# Altium PCB ANTS-DCU_RevB1.PCBDOC (part 3 of 3)
Units mm, origin at the board's own origin, x right, y up, seen from the top; angles counter-clockwise.
Board outline 195.05 x 85.05 mm, 2 copper layers (TopLayer, BottomLayer); 186 components, 183 nets, 986 pads, 355 vias.
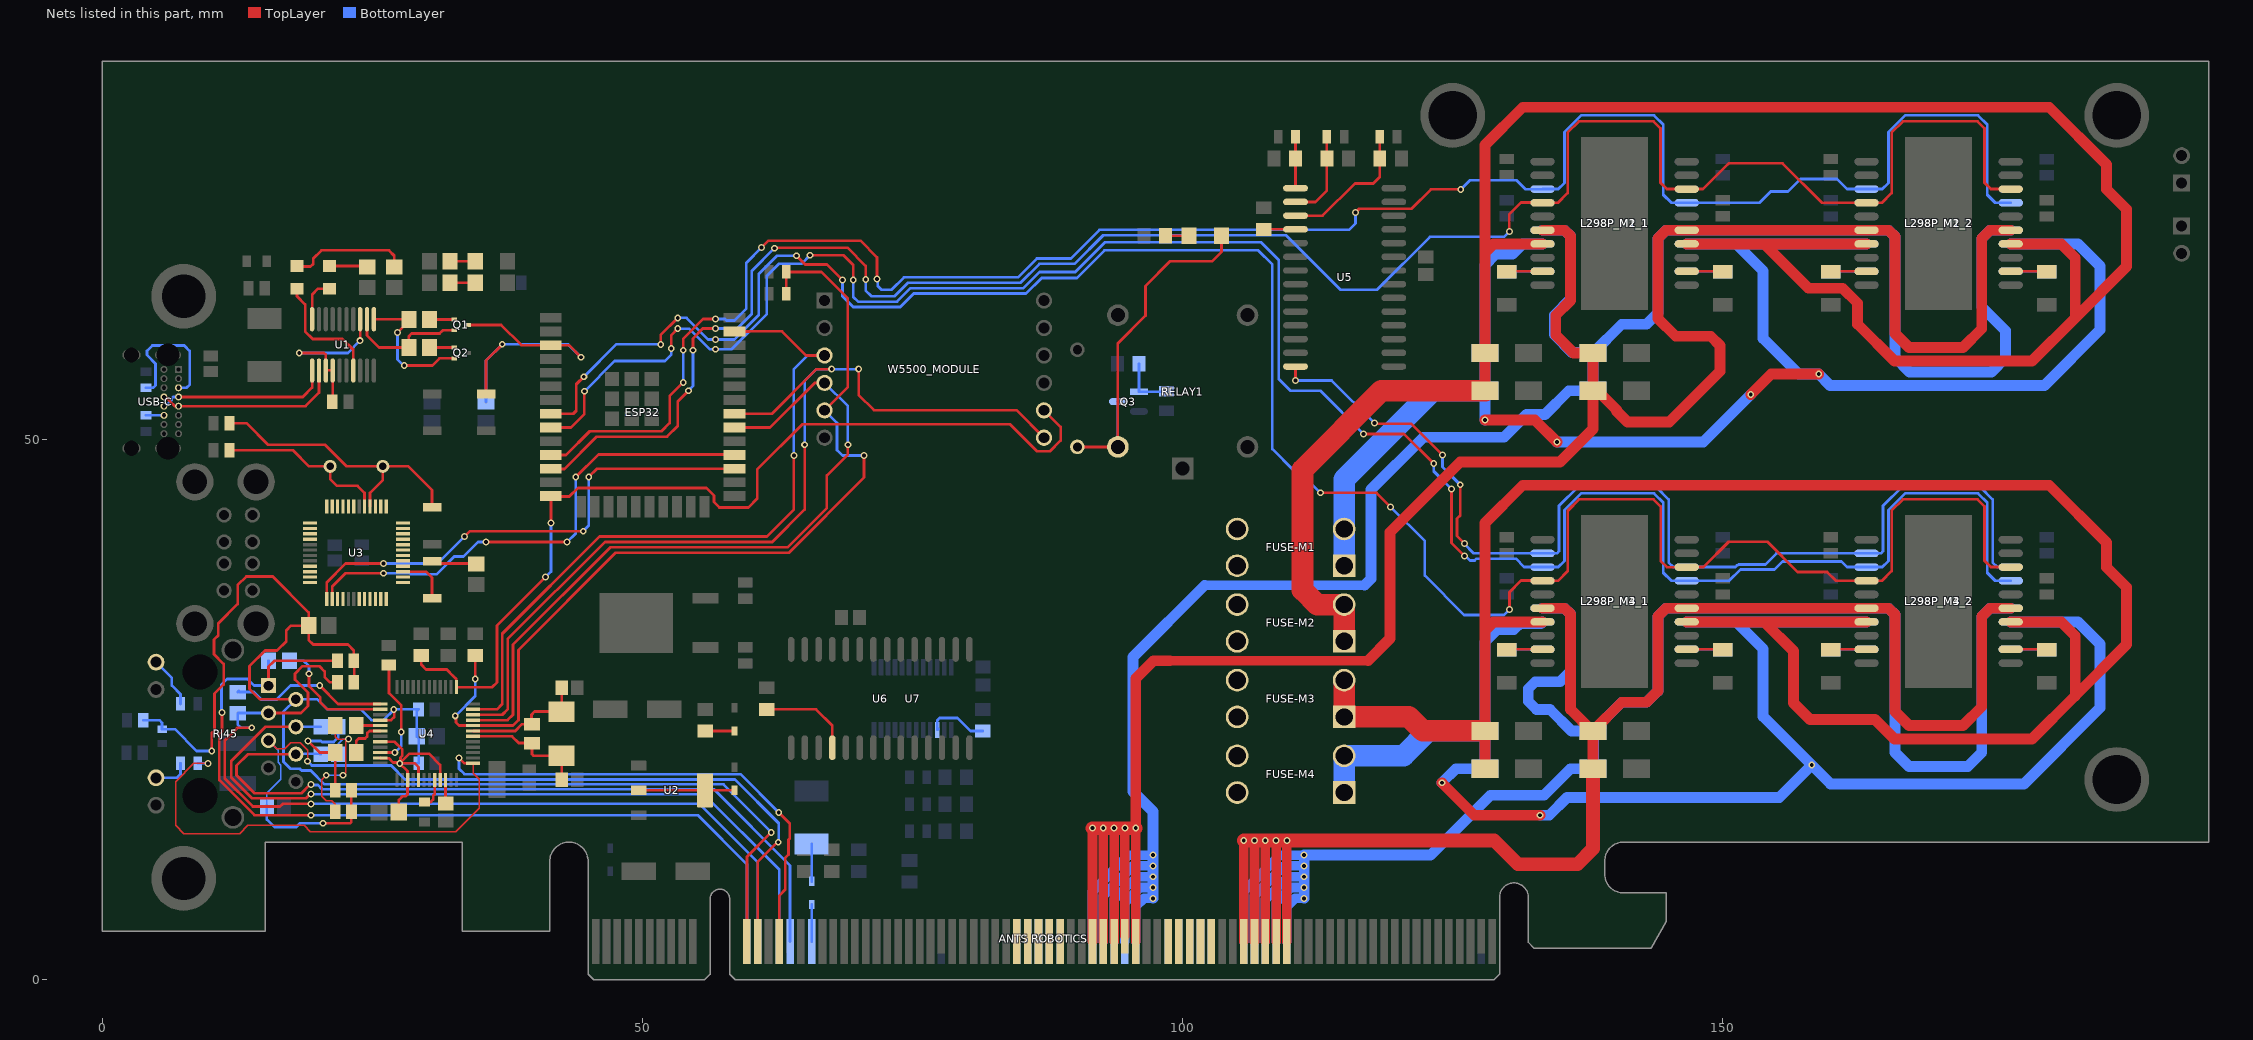
[diagram p3: the nets of this part, all layers, seen from the top]

## Via types
v1: diameter 0.635, hole 0.356, TopLayer to BottomLayer, 355 vias

## Nets (pads, with @x,y where several pads share a name; then routed paths per layer and width w, separated by ;. In a path a pad name is that pad's centre, name@x,y a point inside that pad or via, vN(x,y) a via of type N, cw(c..) or ccw(c..) an arc to the next point about the centre after c; other vN are vias at no path point) (continued)
L298P-M4-1-IN2: L298P_M4_1.9 L298P_M4_1.13 L298P_M4_2.9 L298P_M4_2.13 U5.28 | length 101.6
  TopLayer w0.254: v1(110.45,55.45) U5.28@110.45,56.745 ; v1(117.75,51.5) 117.799,51.451 121.149,51.451 v1(124.05,48.55) ; v1(125.7,45.8) 125.7,42.967 125.403,42.67 125.403,41.047 v1(126.1,40.35)
  BottomLayer w0.254: v1(110.45,55.45) 113.8,55.45 v1(117.75,51.5) ; v1(124.05,48.55) 124.05,47.45 v1(125.7,45.8) ; v1(126.1,40.35) 126.1,40.295 126.95,39.445 L298P_M4_1.9@133.325,39.445 134.645,39.445 134.85,39.65 134.85,43.85 136.6,45.6 143.85,45.6 145,44.45 145,38.6 145.425,38.175 L298P_M4_1.13@146.675,38.175 151.175,38.175 151.35,38.35 151.408,38.35 151.466,38.408 153.958,38.408 154.995,39.445 L298P_M4_2.9@163.325,39.445 164.645,39.445 164.85,39.65 164.85,43.85 166.6,45.6 173.85,45.6 175,44.45 175,38.6 175.425,38.175 L298P_M4_2.13@176.675,38.175
LINK_LED: "ANTS ROBOTICS.B16" R16.2 U4.25 | length 89.5
  TopLayer w0.127: v1(9.75,20) 8.45,20 6.75,18.3 6.75,14.25 7.5,13.5 12.7,13.5 13.45,14.25 18.65,14.25 19.223,13.677 32.677,13.677 34.85,15.85 34.85,18.55 34.3,19.1 U4.25@34.3,20
  TopLayer w0.254: v1(33,20.5) 33.5,20 U4.25@34.3,20 ; v1(62.6,15.45) 63.619,14.431 63.619,13.048 63.494,12.923 63.494,11.544 63.196,11.246 63.196,8.296 62.65,7.75 62.65,3.95 62.6,3.9 62.65,3.85 62.65,3.5
  BottomLayer w0.254: R16.2@8.8,20 v1(9.75,20) ; v1(33,20.5) 33,19.5 33.5,19 59.05,19 v1(62.6,15.45)
M1-1-SENSE-A: L298P_M1_1.2 R41.2 | length 3.3
  BottomLayer w0.254: R41.2@130,65.525 130.03,65.555 L298P_M1_1.2@133.325,65.555
M1-1-SENSE-B: L298P_M1_1.19 R40.2 | length 3.3
  BottomLayer w0.254: L298P_M1_1.19@146.675,65.555 149.97,65.555 R40.2@150,65.525
M1-2-SENSE-A: L298P_M1_2.2 R43.2 | length 3.3
  BottomLayer w0.254: R43.2@160,65.525 160.03,65.555 L298P_M1_2.2@163.325,65.555
M1-2-SENSE-B: L298P_M1_2.19 R42.2 | length 3.3
  BottomLayer w0.254: L298P_M1_2.19@176.675,65.555 179.97,65.555 R42.2@180,65.525
M2-1-SENSE-A: L298P_M2_1.2 R45.2 | length 3.3
  TopLayer w0.254: L298P_M2_1.2@146.675,65.555 149.97,65.555 R45.2@150,65.525
M2-1-SENSE-B: L298P_M2_1.19 R44.2 | length 3.3
  TopLayer w0.254: R44.2@130,65.525 130.03,65.555 L298P_M2_1.19@133.325,65.555
M2-2-SENSE-A: L298P_M2_2.2 R47.2 | length 3.3
  TopLayer w0.254: L298P_M2_2.2@176.675,65.555 179.97,65.555 R47.2@180,65.525
M2-2-SENSE-B: L298P_M2_2.19 R46.2 | length 3.3
  TopLayer w0.254: R46.2@160,65.525 160.03,65.555 L298P_M2_2.19@163.325,65.555
M3-1-SENSE-A: L298P_M3_1.2 R49.2 | length 3.4
  TopLayer w0.254: L298P_M3_1.2@146.675,30.555 146.695,30.555 146.75,30.5 146.805,30.555 149.97,30.555 R49.2@150,30.525
M3-1-SENSE-B: L298P_M3_1.19 R48.2 | length 3.3
  TopLayer w0.254: R48.2@130,30.525 130.03,30.555 L298P_M3_1.19@133.325,30.555
M3-2-SENSE-A: L298P_M3_2.2 R51.2 | length 3.2
  TopLayer w0.254: L298P_M3_2.2@176.675,30.555 R51.2@179.84,30.555
M3-2-SENSE-B: L298P_M3_2.19 R50.2 | length 3.2
  TopLayer w0.254: R50.2@160.16,30.555 L298P_M3_2.19@163.325,30.555
M4-1-SENSE-A: L298P_M4_1.2 R53.2 | length 3.3
  BottomLayer w0.254: R53.2@130,30.525 130.03,30.555 L298P_M4_1.2@133.325,30.555
M4-1-SENSE-B: L298P_M4_1.19 R52.2 | length 3.3
  BottomLayer w0.254: L298P_M4_1.19@146.675,30.555 149.97,30.555 R52.2@150,30.525
M4-2-SENSE-A: L298P_M4_2.2 R55.2 | length 3.3
  BottomLayer w0.254: R55.2@160,30.525 160.03,30.555 163.195,30.555 163.2,30.55 163.205,30.555 L298P_M4_2.2@163.325,30.555
M4-2-SENSE-B: L298P_M4_2.19 R54.2 | length 3.3
  BottomLayer w0.254: L298P_M4_2.19@176.675,30.555 179.97,30.555 R54.2@180,30.525
MCP23017_1-A0: CTRL-A0.1 R34.1 U5.15 | length 4.7
  TopLayer w0.254: U5.15@110.45,73.255 R34.1@110.45,76 CTRL-A0.1@110.45,78
MCP23017_1-A1: CTRL-A1.1 R33.1 U5.16 | length 8.3
  TopLayer w0.254: U5.16@110.45,71.985 112.285,71.985 113.35,73.05 R33.1@113.35,76 CTRL-A1.1@113.35,78
MCP23017_1-A2: CTRL-A2.1 R32.1 U5.17 | length 13
  TopLayer w0.254: U5.17@110.45,70.715 112.965,70.715 115.95,73.7 117.65,73.7 118.25,74.3 R32.1@118.25,76 CTRL-A2.1@118.25,78
MOTOR1_CHA: "ANTS ROBOTICS.A38" "ANTS ROBOTICS.A39" "ANTS ROBOTICS.A40" "ANTS ROBOTICS.A41" "ANTS ROBOTICS.A42" FUSE-M1.3 FUSE-M1.4
MOTOR1_CHA-RAW: D1.1 D5.2 FUSE-M1.1 FUSE-M1.2 L298P_M1_1.4 L298P_M1_1.17 L298P_M1_2.4 L298P_M1_2.17 | length 155.9
  TopLayer w1: v1(128,51.8) 132.6,51.8 v1(134.65,49.75) ; v1(152.6,54.15) 154.5,56.05 v1(158.9,56.05)
  BottomLayer w1: v1(128,51.8) D1.1@128,54.5 D5.2@128,58 128,66.15 129,67.15 130.55,67.15 131.495,68.095 L298P_M1_1.4@133.325,68.095 ; v1(134.65,49.75) 148.2,49.75 v1(152.6,54.15) ; L298P_M1_1.17@146.675,68.095 151.255,68.095 ; L298P_M1_2.4@163.325,68.095 151.255,68.095 ; L298P_M1_2.17@176.675,68.095 182.905,68.095 184.95,66.05 184.95,60.15 179.8,55 159.95,55 v1(158.9,56.05) 157.05,56.05 153.75,59.35 153.75,65.6 151.255,68.095
  BottomLayer w2: FUSE-M1.1@114.95,38.3 FUSE-M1.2@114.95,41.7 114.95,46.3 123.15,54.5 D1.1@128,54.5
MOTOR1_CHB: "ANTS ROBOTICS.A45" "ANTS ROBOTICS.A46" "ANTS ROBOTICS.A47" "ANTS ROBOTICS.A48" "ANTS ROBOTICS.A49" D2.1 D6.2 L298P_M1_1.5 L298P_M1_1.16 L298P_M1_2.5 L298P_M1_2.16 | length 217.5
  BottomLayer w0.889: 91.65,3.5 91.65,8.15 95,11.5 v1(97.25,11.5) ; 92.65,3.5 92.65,7.75 95.4,10.5 v1(97.25,10.5) ; 93.65,3.5 93.65,7.4 95.75,9.5 v1(97.25,9.5) ; 94.65,3.5 94.65,7.1 96.05,8.5 v1(97.25,8.5) ; 95.65,3.5 95.65,6.75 96.4,7.5 v1(97.25,7.5) ; 102.05,36.5 116.85,36.5
  BottomLayer w1: v1(97.25,7.5) v1(97.25,8.5) v1(97.25,9.5) v1(97.25,10.5) v1(97.25,11.5) 97.25,15.55 95.4,17.4 95.4,29.85 102.05,36.5 ; 116.85,36.5 117.45,37.1 117.45,45.35 122.3,50.2 129.75,50.2 131.85,52.3 133.55,52.3 135.75,54.5 D2.1@138,54.5 138,57.9 137.95,57.95 D6.2@138,58 ; L298P_M1_1.5@133.325,69.365 135.364,69.365 135.9,68.829 135.9,63 134.4,61.5 134.4,59.7 136.05,58.05 137.95,58.05 D6.2@138,58 ; L298P_M1_2.16@176.675,69.365 174.765,69.365 174,68.6 174,62.25 176.2,60.05 176.2,57.55 174.9,56.25 167.3,56.25 165.95,57.6 165.95,68.779 165.364,69.365 L298P_M1_2.5@163.325,69.365 L298P_M1_1.16@146.675,69.365 144.765,69.365 144,68.6 144,61.7 142.95,60.65 140.65,60.65 D6.2@138,58
MOTOR1_PWM: ESP32.11 L298P_M1_1.8 L298P_M1_1.14 L298P_M1_2.8 L298P_M1_2.14 | length 185.4
  TopLayer w0.254: ESP32.11@41.5,48.56 42.06,48.56 42.15,48.65 42.25,48.55 42.9,48.55 45.1,50.75 51.75,50.75 52.5,51.5 52.5,54 v1(53.75,55.25) ; v1(53.75,58.25) 53.75,58.3 53.7,58.35 53.75,58.4 53.75,59.3 55.6,61.15 v1(56.75,61.15) ; v1(61,67.75) 61.65,68.4 70.15,68.4 71.694,66.856 v1(71.694,64.838) ; v1(116,71) 116.35,71.35 121.2,71.35 123,73.15 v1(125.75,73.15)
  BottomLayer w0.254: v1(53.75,55.25) v1(53.75,58.25) ; v1(56.75,61.15) 57.602,61.15 57.752,61 58.5,61 59.6,62.1 59.6,66.35 v1(61,67.75) ; v1@71.694,64.735 v1(71.694,64.838) 71.767,64.766 71.767,64.183 72.1,63.85 73.05,63.85 74.2,65 84.75,65 86.5,66.75 89.65,66.75 92.3,69.4 115.4,69.4 116,70 v1(116,71) ; v1(125.75,73.15) 126.591,73.991 130.909,73.991 131.738,73.163 L298P_M1_1.8@133.312,73.163 ; L298P_M1_1.8@133.325,73.175 134.775,73.175 135.35,73.75 135.35,78.45 136.9,80 143.65,80 144.5,79.15 144.5,72.65 145.245,71.905 L298P_M1_1.14@146.675,71.905 153.405,71.905 154.45,72.95 156.05,72.95 157.204,74.104 160.596,74.104 161.525,73.175 L298P_M1_2.8@163.325,73.175 164.775,73.175 165.35,73.75 165.35,78.45 166.9,80 173.65,80 174.5,79.15 174.5,72.65 175.245,71.905 L298P_M1_2.14@176.675,71.905
MOTOR2_CHA: "ANTS ROBOTICS.B38" "ANTS ROBOTICS.B39" "ANTS ROBOTICS.B40" "ANTS ROBOTICS.B41" "ANTS ROBOTICS.B42" FUSE-M2.3 FUSE-M2.4
MOTOR2_CHA-RAW: D17.1 D21.2 FUSE-M2.1 FUSE-M2.2 L298P_M2_1.4 L298P_M2_1.17 L298P_M2_2.4 L298P_M2_2.17 | length 210.3
  TopLayer w1: D17.1@127.9,58.1 D17.1@128,58 ; D21.2@128,54.5 D17.1@128,58 ; L298P_M2_1.17@133.325,68.095 128.795,68.095 128,67.3 ; L298P_M2_1.4@146.675,68.095 155.305,68.095 ; 153.9,68.05 157.95,64 161.1,64 162.5,62.6 162.5,60.65 165.9,57.25 178.65,57.25 182.65,61.25 ; 155.3,68.1 155.305,68.095 ; L298P_M2_2.17@163.325,68.095 155.305,68.095 ; L298P_M2_2.4@176.675,68.095 181.355,68.095 182.65,66.8 182.65,61.25 ; D17.1@128,58 128,67.3 ; 128,67.3 128,77.25 131.5,80.75 180.25,80.75 185.55,75.45 185.55,73.15 187.4,71.3 187.4,66 182.65,61.25
  TopLayer w2: FUSE-M2.1@114.95,31.3 FUSE-M2.2@114.95,34.7 112.45,34.7 111.1,36.05 111.1,47.2 118.4,54.5 D21.2@128,54.5
MOTOR2_CHB: "ANTS ROBOTICS.B45" "ANTS ROBOTICS.B46" "ANTS ROBOTICS.B47" "ANTS ROBOTICS.B48" "ANTS ROBOTICS.B49" D18.1 D22.2 L298P_M2_1.5 L298P_M2_1.16 L298P_M2_2.5 L298P_M2_2.16 | length 234.9
  TopLayer w0.889: 91.65,3.5 v1(91.65,14) ; 92.65,3.5 v1(92.65,14) ; 93.65,3.5 v1(93.65,14) ; 94.65,4 v1(94.65,14) ; 95.65,3.5 v1(95.65,14) ; 98.8,29.5 117.15,29.5
  TopLayer w1: v1(95.65,14) 95.65,27.85 97.3,29.5 98.8,29.5 ; 117.15,29.5 119.2,31.55 119.2,41.4 125.7,47.9 134.95,47.9 138,50.95 D22.2@138,54.5 ; L298P_M2_1.16@133.325,69.365 135.364,69.365 135.9,68.829 135.9,62.85 134.55,61.5 134.55,59.65 136.2,58 D18.1@138,58 D22.2@138,54.5 ; L298P_M2_2.5@176.675,69.365 174.765,69.365 174,68.6 174,60.25 172.25,58.5 167.25,58.5 165.95,59.8 165.95,68.779 165.364,69.365 L298P_M2_2.16@163.325,69.365 L298P_M2_1.5@146.675,69.365 144.765,69.365 144,68.6 144,61.2 145.65,59.55 148.9,59.55 149.75,58.7 149.75,56.3 145.05,51.6 141.2,51.6 140.164,52.636 140.164,52.736 138.4,54.5 D22.2@138,54.5
  TopLayer w1.27: v1(91.65,14) v1(92.65,14) v1(93.65,14) v1(94.65,14) v1(95.65,14)
MOTOR2_PWM: ESP32.12 L298P_M2_1.8 L298P_M2_1.14 L298P_M2_2.8 L298P_M2_2.14 | length 188
  TopLayer w0.254: ESP32.12@41.5,47.29 41.54,47.25 42.75,47.25 45.75,50.25 52.25,50.25 53.25,51.25 53.25,53.5 v1(54.25,54.5) ; v1(54.65,58.25) 54.65,59.35 55.561,60.261 v1(56.75,60.261) ; v1(62.2,67.702) 62.248,67.75 68.95,67.75 70.65,66.05 v1(70.65,64.8) ; v1(130.25,69.25) 130.25,70.85 131.327,71.927 133.132,71.927 L298P_M2_1.14@133.155,71.905 ; L298P_M2_1.14@133.325,71.905 134.755,71.905 135.65,72.8 135.65,78.4 136.7,79.45 143.6,79.45 144.25,78.8 144.25,73.76 144.835,73.175 L298P_M2_1.8@146.505,73.175 ; L298P_M2_1.8@146.675,73.175 148.175,73.175 150.485,75.485 150.493,75.485 150.566,75.558 155.56,75.558 159.213,71.905 L298P_M2_2.14@163.325,71.905 164.755,71.905 165.65,72.8 165.65,78.4 166.7,79.45 173.6,79.45 174.25,78.8 174.25,73.76 174.835,73.175 L298P_M2_2.8@176.505,73.175
  BottomLayer w0.254: v1(54.25,54.5) 54.25,54.55 54.65,54.95 v1(54.65,58.25) ; v1(56.75,60.261) 57.696,60.261 57.807,60.15 58.65,60.15 60.1,61.6 60.1,65.601 v1(62.2,67.702) ; v1@70.577,64.727 v1(70.65,64.8) 70.65,63.8 71.2,63.25 73.3,63.25 74.55,64.5 85,64.5 86.75,66.25 90,66.25 92.65,68.9 109.55,68.9 114.6,63.85 118,63.85 122.9,68.75 129.75,68.75 v1(130.25,69.25)
MOTOR3_CHA: "ANTS ROBOTICS.B52" "ANTS ROBOTICS.B53" "ANTS ROBOTICS.B54" "ANTS ROBOTICS.B55" "ANTS ROBOTICS.B56" FUSE-M3.3 FUSE-M3.4
MOTOR3_CHA-RAW: D33.1 D37.2 FUSE-M3.1 FUSE-M3.2 L298P_M3_1.4 L298P_M3_1.17 L298P_M3_2.4 L298P_M3_2.17 | length 189.9
  TopLayer w1: D37.2@128,19.5 D33.1@128,23 128,32.3 ; L298P_M3_1.17@133.325,33.095 128.795,33.095 128,32.3 ; L298P_M3_1.4@146.675,33.095 L298P_M3_2.17@163.325,33.095 ; 153.9,33.05 156.55,30.4 156.55,25.6 158.1,24.05 164.1,24.05 165.9,22.25 178.65,22.25 182.65,26.25 ; L298P_M3_2.4@176.675,33.095 181.355,33.095 182.65,31.8 182.65,26.25 ; 128,32.3 128,42.25 131.5,45.75 180.25,45.75 185.55,40.45 185.55,38.15 187.4,36.3 187.4,31 182.65,26.25
  TopLayer w2: FUSE-M3.2@114.95,27.7 FUSE-M3.1@114.95,24.3 120.95,24.3 122.25,23 D33.1@128,23
MOTOR3_CHB: "ANTS ROBOTICS.B59" "ANTS ROBOTICS.B60" "ANTS ROBOTICS.B61" "ANTS ROBOTICS.B62" "ANTS ROBOTICS.B63" D34.1 D38.2 L298P_M3_1.5 L298P_M3_1.16 L298P_M3_2.5 L298P_M3_2.16 | length 172.7
  TopLayer w0.889: 105.65,3.5 v1(105.65,12.85) ; 106.65,3.5 v1(106.65,12.85) ; 107.65,3.5 v1(107.65,12.85) ; 108.65,3.5 v1(108.65,12.85) ; 109.65,3.5 v1(109.65,12.85)
  TopLayer w1: L298P_M3_1.16@133.325,34.365 135.364,34.365 135.9,33.829 135.9,25 137.95,22.95 D34.1@138,23 ; D38.2@138,19.5 D34.1@138,23 ; L298P_M3_2.5@176.675,34.365 174.765,34.365 174,33.6 174,25.25 172.25,23.5 167.25,23.5 165.95,24.8 165.95,33.779 165.364,34.365 L298P_M3_2.16@163.325,34.365 L298P_M3_1.5@146.675,34.365 144.765,34.365 144,33.6 144,26.7 142.95,25.65 140.65,25.65 D34.1@138,23
  TopLayer w1.27: v1(105.65,12.85) v1(106.65,12.85) v1(107.65,12.85) v1(108.65,12.85) v1(109.65,12.85) 128.85,12.85 131.05,10.65 136.55,10.65 138,12.1 D38.2@138,19.5
MOTOR3_PWM: ESP32.8 L298P_M3_1.8 L298P_M3_1.14 L298P_M3_2.8 L298P_M3_2.14 | length 206.1
  TopLayer w0.254: ESP32.8@41.5,52.37 43.57,52.37 43.85,52.65 43.85,55.1 v1(44.55,55.8) ; v1(51.667,58.795) 51.667,59.667 v1(53.25,61.25) ; v1(64.25,67) 65.05,66.2 67.05,66.2 v1(68.5,64.75) ; v1(112.75,45.05) 117.95,45.05 v1(119.25,43.75) ; v1(130.258,34.243) 130.258,35.843 131.335,36.92 L298P_M3_1.14@133.14,36.92 ; L298P_M3_1.14@133.333,36.898 134.763,36.898 135.658,37.792 135.658,43.392 136.708,44.442 143.608,44.442 144.258,43.793 144.258,38.753 144.843,38.168 L298P_M3_1.8@146.513,38.168 ; L298P_M3_1.8@146.675,38.175 148.225,38.175 150.566,40.516 154.135,40.516 156.93,37.721 159.679,37.721 160.495,36.905 L298P_M3_2.14@163.325,36.905 164.755,36.905 165.65,37.8 165.65,43.4 166.7,44.45 173.6,44.45 174.25,43.8 174.25,38.76 174.835,38.175 L298P_M3_2.8@176.505,38.175
  BottomLayer w0.254: v1(44.55,55.8) 47.545,58.795 v1(51.667,58.795) ; v1(53.25,61.25) 54.05,61.25 56.05,59.25 v1(56.75,59.25) 58.5,59.25 60.75,61.5 60.75,65.3 62.45,67 64.15,67 64.2,67.05 v1(64.25,67) ; v1(68.5,64.75) 68.5,63.25 69.5,62.25 73.85,62.25 75.1,63.5 85.5,63.5 86.95,64.95 90.2,64.95 92.75,67.5 107,67.5 108.3,66.2 108.3,49.1 110.289,47.111 110.689,47.111 v1(112.75,45.05) ; v1(119.25,43.75) 122.424,40.576 122.424,37.376 126.057,33.743 129.758,33.743 v1(130.258,34.243)
MOTOR4_CHA: "ANTS ROBOTICS.A52" "ANTS ROBOTICS.A53" "ANTS ROBOTICS.A54" "ANTS ROBOTICS.A55" "ANTS ROBOTICS.A56" FUSE-M4.3 FUSE-M4.4
MOTOR4_CHA-RAW: D49.1 D53.2 FUSE-M4.1 FUSE-M4.2 L298P_M4_1.4 L298P_M4_1.17 L298P_M4_2.4 L298P_M4_2.17 | length 155.4
  TopLayer w1: v1(124,18.2) 127,15.2 v1(133.1,15.2)
  BottomLayer w1: v1(124,18.2) 125.3,19.5 D49.1@128,19.5 D53.2@128,23 128,31.25 129.115,32.366 130.65,32.366 131.23,32.945 133.175,32.945 L298P_M4_1.4@133.325,33.095 ; v1(133.1,15.2) 133.95,15.2 135.6,16.85 155.25,16.85 v1(158.25,19.85) ; L298P_M4_1.17@146.675,33.095 151.255,33.095 ; L298P_M4_2.4@163.325,33.095 151.255,33.095 ; L298P_M4_2.17@176.675,33.095 182.905,33.095 184.95,31.05 184.95,25.15 177.9,18.1 160,18.1 v1(158.25,19.85) ; 151.255,33.095 153.75,30.6 153.75,24.35 v1(158.25,19.85)
  BottomLayer w2: FUSE-M4.1@114.95,17.3 FUSE-M4.2@114.95,20.7 120.45,20.7 122.75,23 D53.2@128,23
MOTOR4_CHB: "ANTS ROBOTICS.A59" "ANTS ROBOTICS.A60" "ANTS ROBOTICS.A61" "ANTS ROBOTICS.A62" "ANTS ROBOTICS.A63" D50.1 D54.2 L298P_M4_1.5 L298P_M4_1.16 L298P_M4_2.5 L298P_M4_2.16 | length 175.2
  BottomLayer w0.889: 105.65,3.5 105.65,8.15 109,11.5 v1(111.25,11.5) ; 106.65,3.5 106.65,7.75 109.4,10.5 v1(111.25,10.5) ; 107.65,3.5 107.65,7.4 109.75,9.5 v1(111.25,9.5) ; 108.65,3.5 108.65,7.1 110.05,8.5 v1(111.25,8.5) ; 109.65,3.5 109.65,6.75 110.4,7.5 v1(111.25,7.5)
  BottomLayer w1: v1(111.25,7.5) v1(111.25,8.5) v1(111.25,9.5) v1(111.25,10.5) v1(111.25,11.5) 122.95,11.5 128.5,17.05 133.45,17.05 135.9,19.5 D50.1@138,19.5 138.05,19.55 138.05,22.95 D54.2@138,23 ; L298P_M4_1.5@133.325,34.365 135.364,34.365 135.9,33.829 135.9,28.5 134.95,27.55 132.65,27.55 132,26.9 132,25.75 132.75,25 134,25 136,23 D54.2@138,23 ; L298P_M4_2.16@176.675,34.365 174.765,34.365 174,33.6 174,21 172.7,19.7 167.25,19.7 165.95,21 165.95,33.779 165.364,34.365 L298P_M4_2.5@163.325,34.365 L298P_M4_1.16@146.675,34.365 144.765,34.365 144,33.6 144,26.7 142.95,25.65 140.65,25.65 138.75,23.75 138.75,23.35 138.4,23 D54.2@138,23
MOTOR4_PWM: ESP32.9 L298P_M4_1.8 L298P_M4_1.14 L298P_M4_2.8 L298P_M4_2.14 | length 202.4
  TopLayer w0.254: ESP32.9@41.5,51.1 43.35,51.1 44.6,52.35 v1(44.6,54.45) ; v1(52.65,58.4) 52.65,59.65 v1(53.25,60.25) ; v1(65.5,67.05) 68.6,67.05 69.5,66.15 v1(69.5,64.75) ; v1(116.75,50.5) 120.5,50.5 v1(123.25,47.75) ; v1(124.9,45.4) 124.9,40.4 v1(126.1,39.2) v1@125.997,39.2
  BottomLayer w0.254: v1(44.6,54.45) 47.4,57.25 52.05,57.25 52.65,57.85 v1(52.65,58.4) ; v1(53.25,60.25) 54.3,60.25 56.2,58.35 v1(56.75,58.35) 58.25,58.35 61.5,61.6 61.5,65.15 62.6,66.25 64.7,66.25 v1(65.5,67.05) ; v1(69.5,64.75) 69.5,63.2 69.95,62.75 73.55,62.75 74.8,64 85.25,64 86.75,65.5 90.05,65.5 92.8,68.25 107.25,68.25 108.9,66.6 108.9,55.6 110,54.5 112.75,54.5 v1(116.75,50.5) ; v1(123.25,47.75) 123.25,47.05 v1(124.9,45.4) ; v1(126.1,39.2) 126.203,39.2 126.615,38.788 127.038,38.788 127.2,38.95 130.85,38.95 131.625,38.175 L298P_M4_1.8@133.325,38.175 134.775,38.175 135.35,38.75 135.35,43.45 136.9,45 143.65,45 144.5,44.15 144.5,37.65 145.245,36.905 L298P_M4_1.14@146.675,36.905 150.605,36.905 151.654,37.954 154.804,37.954 155.55,38.7 161,38.7 161.525,38.175 L298P_M4_2.8@163.325,38.175 164.775,38.175 165.35,38.75 165.35,43.45 166.9,45 173.65,45 174.5,44.15 174.5,37.65 175.245,36.905 L298P_M4_2.14@176.675,36.905
Net3V3_2: 3V3.2 R8.1 | length 2.3
  TopLayer w0.254: R8.1@32.15,64.5 3V3.2@34.5,64.5
Net5V_2: 5V.2 R9.1 | length 2.3
  TopLayer w0.254: R9.1@32.15,66.5 5V.2@34.5,66.5
NetC4_1: C4.1 U1.3 U1.13 U1.14 | length 15.6
  TopLayer w0.254: v1(18.2,58) 20.5,58 20.663,57.837 U1.13@20.663,56.375 20.687,56.4 21.273,56.4 U1.14@21.298,56.375 21.298,53.548 C4.1@21.25,53.5 ; v1(23.838,59.137) U1.3@23.838,61.125
  BottomLayer w0.254: v1(18.2,58) 22.7,58 v1(23.838,59.137)
NetC18_2: C18.2 R20.2 R25.1 | length 10.4
  TopLayer w0.254: v1(19.024,22.074) 20.098,21 R25.1@21.525,21 R20.2@21.525,17.5
  BottomLayer w0.254: v1(19.024,22.074) 20.213,22.074 20.301,21.986 21.386,21.986 21.8,22.4 21.8,23.36 C18.2@21.825,23.385
NetC19_2: C19.2 R21.2 R24.1 | length 13.9
  TopLayer w0.127: v1(20.7,18.9) 20.7,18.892 20.3,18.492 20.3,16.95 20.7,16.55 21.2,16.55 21.525,16.225 R21.2@21.525,15.5 ; R24.1@21.525,23.5 21.525,22.475 21.75,22.25 v1(22.75,22.25) 22.5,22 22.5,19.15 v1(22.242,18.892)
  BottomLayer w0.127: v1@20.7,18.892 v1(22.242,18.892) ; C19.2@21.825,20.845 21.825,21.825 22.25,22.25 v1(22.75,22.25)
NetC25_1: C25.1 U4.20 | length 2.9
  TopLayer w0.254: C25.1@29.8,16.55 29.75,16.5 29.8,16.45 C25.1@29.8,16.425 29.825,16.4 30.35,16.4 30.6,16.65 30.6,17 30.75,17.15 U4.20@30.75,18.45
NetC26_2: C26.2 U4.22 | length 2.2
  TopLayer w0.254: C26.2@31.75,16.3 U4.22@31.75,18.45
NetD65_1: D65.1 F-USB2.1 | length 3.5
  BottomLayer w0.254: D65.1@65.65,9.07 F-USB2.1@65.65,12.549
NetD66_1: D66.1 R15.1 | length 2.7
  TopLayer w0.254: R15.1@55.8,23 D66.1@58.5,23
NetD67_2: D67.2 U2.2 U2.4 | length 8.9
  TopLayer w0.254: U2.2@49.625,17.5 U2.4@55.775,17.5 D67.2@58.5,17.5
NetD100_1: D100.1 GIGAVAC.1 Q3.3 RELAY1.5 | length 34.6
  TopLayer w0.254: D100.1@90.25,49.3 RELAY1.5@94,49.3 ; RELAY1.5@94.7,49.3 94.6,49.4 94.5,49.3 RELAY1.5@94,49.3 ; GIGAVAC.1@103.6,68.85 103.6,67.35 102.75,66.5 98.85,66.5 96.55,64.2 96.55,61.45 94,58.9 RELAY1.5@94,49.3
  BottomLayer w0.254: RELAY1.5@94,49.3 94,53.45 93.95,53.5 Q3.3@94,53.5
NetESP32-RX_2: ESP32-RX.2 R4.2 | length 11.2
  TopLayer w0.254: ESP32-RX.2@18,66.05 18.2,66.05 18.25,66 19.25,66 19.5,66.25 19.5,66.75 20.25,67.5 26.5,67.5 27,67 R4.2@27,65.95
NetESP32-TX_2: ESP32-TX.2 R3.2 | length 3.5
  TopLayer w0.254: ESP32-TX.2@21,66.05 24.4,66.05 R3.2@24.5,65.95
NetGIGAVAC_2: GIGAVAC.2 R72.2 | length 2.2
  TopLayer w0.254: R72.2@98.4,68.85 GIGAVAC.2@100.6,68.85
NetQ1_1: Q1.1 R1.1 | length 2.3
  TopLayer w0.254: R1.1@30.25,61.1 Q1.1@32.553,61.1
NetQ2_1: Q2.1 R2.1 | length 2.3
  TopLayer w0.254: R2.1@30.25,58.5 Q2.1@32.553,58.5
NetQ3_1: Q3.1 R73.2 R74.2 | length 5.1
  BottomLayer w0.254: R73.2@95.95,57 95.95,54.418 Q3.1@95.953,54.415 98.465,54.415 R74.2@98.5,54.45
NetR14_1: R14.1 USB-HOST-RST.2 | length 4.2
  TopLayer w0.254: USB-HOST-RST.2@30.5,38.7 30.7,38.5 34.55,38.5 R14.1@34.6,38.45
NetR16_1: R16.1 RJ45.11 | length 3.4
  BottomLayer w0.254: RJ45.11@4.94,18.665 6.865,18.665 7.2,19 R16.1@7.2,20
NetR17_1: R17.1 RJ45.9 | length 4.8
  BottomLayer w0.254: RJ45.9@4.94,29.375 6.4,27.915 6.4,27.2 7.2,26.4 R17.1@7.2,25.5
NetR22_2: R22.2 U4.1 | length 14.8
  TopLayer w0.254: v1(20.1,27.2) 21.796,25.504 U4.1@25.7,25.504
  BottomLayer w0.254: R22.2@12.5,26.575 12.5,26.6 12.6,26.7 12.7,26.6 14,26.6 14.7,25.9 16.1,25.9 17.4,27.2 v1(20.1,27.2)
NetR23_2: R23.2 U4.2 | length 11.6
  TopLayer w0.254: v1(19.1,28.3) 19.1,27.15 20.15,26.1 20.15,25.65 20.8,25 U4.2@25.7,25
  BottomLayer w0.254: R23.2@17.3,29.5 18.6,29.5 19.1,29 v1(19.1,28.3)
NetR24_2: R24.2 U4.5 | length 1.9
  TopLayer w0.254: R24.2@23.775,23.5 24.7,23.5 U4.5@25.7,23.5
NetR25_2: R25.2 U4.6 | length 3.9
  TopLayer w0.254: R25.2@23.475,21 23.475,22.075 23.7,22.3 24.3,22.3 24.5,22.5 24.5,22.8 24.7,23 U4.6@25.7,23
NetR30_2: R30.2 U4.10 | length 10.2
  TopLayer w0.254: U4.10@25.7,21 v1(27.05,21) ; R30.2@26.5,29.1 26.5,26.5 27.65,25.35 v1(27.65,22.9)
  BottomLayer w0.254: v1(27.05,21) 27.65,21.6 v1(27.65,22.9)
NetR31_2: R31.2 U5.18 | length 3
  TopLayer w0.254: R31.2@107.5,69.445 U5.18@110.45,69.445
NetR35_2: R35.2 U6.18 | length 8.7
  TopLayer w0.254: R35.2@61.5,25 66.05,25 67.555,23.495 U6.18@67.555,21.45
NetR39_1: R39.1 U7.3 | length 5.8
  BottomLayer w0.254: U7.3@77.275,23.1 77.275,23.975 77.494,24.194 79.156,24.194 80.35,23 R39.1@81.5,23 ; U7.3@77.281,23.106 U7.3@77.373,23.198
NetRusb1_2: Rusb1.2 USB-C.A5 | length 13.3
  BottomLayer w0.254: Rusb1.2@4,54.775 4.675,54.775 4.9,55 4.9,57 4.1,57.8 4.1,58.2 4.6,58.7 7.55,58.7 8.05,58.2 8.05,55.05 7.775,54.775 USB-C.A5@7.025,54.775 7,54.75 USB-C.A5@7,54.8
NetRusb2_2: Rusb2.2 USB-C.B5 | length 1.7
  BottomLayer w0.254: Rusb2.2@4,52.225 USB-C.B5@5.675,52.225 USB-C.B5@5.725,52.225
P0.0: U3.40
P0.1: U3.39
P0.2: ESP32.28 U3.38 | length 46.6
  TopLayer w0.254: U3.38@21.25,35.2 21.25,36.35 22.498,37.598 v1(26,37.598) ; v1(35.5,40.5) v1(43,40.5) ; v1(43.8,46.5) 45.9,48.6 58.4,48.6 58.44,48.56 ESP32.28@58.5,48.56
  BottomLayer w0.254: v1(26,37.598) 28.452,37.598 28.551,37.5 30.9,37.5 32.55,39.15 33.4,39.15 34.75,40.5 v1(35.5,40.5) ; v1(43,40.5) 43.8,41.3 v1(43.8,46.5)
P0.3: ESP32.27 U3.37 | length 46.3
  TopLayer w0.254: U3.37@20.75,35.2 20.75,36.75 22.5,38.5 v1(26,38.5) ; v1(33.5,41) 34,41.5 44.492,41.5 v1(44.5,41.493) ; v1(45,46.5) 45.79,47.29 ESP32.27@58.5,47.29
  BottomLayer w0.254: v1(26,38.5) 31,38.5 v1(33.5,41) ; v1(44.5,41.493) 44.5,41.5 45,42 v1(45,46.5)
P0.4: U3.36
P0.5: U3.35
P0.6: U3.34
P0.7: U3.33
P1.0: U3.43
P1.1: U3.44
P1.2: U3.45
P1.3: U3.46
P1.4: U3.47
P1.5: U3.48
P1.6: U3.1
P1.7: U3.2
P2.0: U3.21
P2.1: U3.22
P2.2: U3.23
P2.3: U3.24
P2.4: U3.25
P2.5: U3.26
P2.6: U3.27
P2.7: U3.28
P3.0: U3.4
P3.1: U3.7
P3.2: U3.8
P3.3: U3.9
P3.4: U3.10
P3.5: U3.11
P3.6: U3.12
P3.7: U3.13
P4.0: U3.20
P4.1: U3.19
P4.2: U3.15
P4.3: U3.14
P4.4: U3.6
P4.5: U3.5
P4.6: C14.1 U3.16 USB-HOST-DWLD.2 Y2-NC.1 | length 27.1
  TopLayer w0.254: C14.1@11.75,51.5 13.3,51.5 15.3,49.5 20.6,49.5 22.6,47.5 Y2-NC.1@25.94,47.5 ; U3.16@24.75,43.8 24.75,45.05 25.94,46.24 Y2-NC.1@25.94,47.5 ; USB-HOST-DWLD.2@30.5,43.7 30.5,45.3 28.3,47.5 Y2-NC.1@25.94,47.5
P4.7: C15.1 U3.17 Y2-NC.2 | length 16.1
  TopLayer w0.254: C15.1@11.75,49 17.6,49 19.1,47.5 Y2-NC.2@21.06,47.5 21.06,46.34 21.7,45.7 23.6,45.7 24.25,45.05 U3.17@24.25,43.8
RCT: "ANTS ROBOTICS.B14" C20.2 R20.1 R21.1 RJ45.6 | length 82.9
  TopLayer w0.127: RJ45.6@15.35,22.115 16.115,21.35 16.85,21.35 17.4,21.9 18.3,21.9 19,21.2 v1@19,20.248
  TopLayer w0.254: v1(18.95,20.198) v1@19,20.248 ; v1(20.4,14.45) 22.905,14.45 23.025,14.57 R21.1@23.025,15.5 R20.1@23.025,17.5 ; 60.65,3.5 60.65,10.85 62.5,12.7 v1(62.55,12.7)
  BottomLayer w0.127: C20.2@15.2,16.1 15.2,17.25 16.5,18.55 16.5,19.844 16.25,20.094 16.25,21.215 RJ45.6@15.35,22.115
  BottomLayer w0.254: C20.2@15.2,16.1 C20.2@15.2,16 15.2,14.8 15.9,14.1 17.923,14.1 18.273,14.45 v1(20.4,14.45) ; v1(18.95,20.198) 18.959,20.198 19.365,19.793 26.719,19.793 28,18.512 58.538,18.512 62.599,14.451 62.599,12.749 v1(62.55,12.7)
RD+: "ANTS ROBOTICS.A16" C18.1 RJ45.5 | length 72.4
  TopLayer w0.254: RJ45.5@17.89,23.385 17.615,23.385 17.6,23.4 17.585,23.385 15.085,23.385 11.9,20.2 11.9,18.7 13.83,16.77 18.817,16.77 19.197,17.15 v1(19.3,17.15)
  BottomLayer w0.254: RJ45.5@17.89,23.385 C18.1@20.175,23.385 ; v1(19.3,17.15) 55.65,17.15 62.65,10.15 62.65,3.5
RD-: "ANTS ROBOTICS.A17" C19.1 RJ45.7 | length 71.7
  TopLayer w0.254: RJ45.7@17.89,20.845 13.445,20.845 12.4,19.8 12.4,18.9 14.076,17.224 18.386,17.224 19.201,18.039 v1(19.3,18.039)
  BottomLayer w0.254: RJ45.7@17.89,20.845 17.942,20.897 20.123,20.897 C19.1@20.175,20.845 ; v1@19.25,18.05 v1@19.261,18.039 ; v1(19.3,18.039) v1@19.261,18.039 ; 63.65,3.5 63.65,10.55 56.596,17.604 20.326,17.604 19.93,18 19.3,18 v1@19.261,18.039
RESET: ESP32.3 ESP32_RESET.2 Q1.3 R12.1 | length 30.7
  TopLayer w0.254: Q1.3@33.848,60.6 36.9,60.6 38.78,58.72 ESP32.3@41.5,58.72 43.18,58.72 v1(44.3,57.6) ; ESP32_RESET.2@35.5,54.2 35.5,57.3 v1(37,58.8)
  BottomLayer w0.254: R12.1@35.5,53.45 35.5,57.3 v1(37,58.8) 43.1,58.8 v1(44.3,57.6)
RST: U3.3 USB-HOST-RST.1 | length 4.8
  TopLayer w0.254: U3.3@27.8,37.75 29.95,37.75 30.5,37.2 USB-HOST-RST.1@30.5,35.3
RX-LED: ESP32-RX.1 U1.17 | length 11.3
  TopLayer w0.254: ESP32-RX.1@18,63.95 18,63.25 18.75,62.5 18.75,60 19.45,59.3 22.2,59.3 23.203,58.297 U1.17@23.203,56.375
TCT: "ANTS ROBOTICS.B13" C17.1 C21.2 C22.2 C23.1 C24.2 C32.1 L1.2 R18.2 R19.2 RJ45.2 U4.4 U4.8 U4.11 U4.15 U4.17 U4.21 | length 164.6
  TopLayer w0.254: v1(10.1,21.15) 10.1,22.8 10.35,23.05 10.35,26.45 11.2,27.3 11.2,29.2 10.3,30.1 10.3,31.45 10.7,31.85 10.7,32.95 12.5,34.75 12.5,36.5 13.3,37.3 15.75,37.3 19.074,33.976 C17.1@19.074,32.75 ; RJ45.2@17.89,25.925 14.575,25.925 13.6,26.9 13.6,29 15.05,30.45 16.15,30.45 17,31.3 17,32.3 17.45,32.75 C17.1@19.074,32.75 ; R19.2@23.25,27.5 23.25,27.85 23.3,27.9 23.3,29.45 R18.2@23.25,29.5 23.25,30.45 22.7,31 19.5,31 19.074,31.426 C17.1@19.074,32.75 ; U4.11@25.7,20.5 25.723,20.477 26.485,20.477 26.89,20.073 27.427,20.073 v1(27.5,20) ; U4.8@25.7,22 27.038,22 27.748,21.289 27.748,20.711 27.573,20.535 v1@27.573,20.073 ; U4.4@25.7,24 26.7,24 27,24.3 27,24.952 v1(26.952,25) ; C24.2@27.425,15.5 27.425,16.6 27.775,16.95 28.05,16.95 28.227,17.127 28.227,19.273 v1(27.5,20) ; U4.17@29.25,18.45 29.25,19.65 28.9,20 v1(27.5,20) ; U4.21@31.25,18.45 31.25,19.85 30.2,20.9 28.4,20.9 v1@27.573,20.073 ; 59.65,3.5 59.65,11.35 v1(61.9,13.6) ; v1(27.5,20) v1@27.573,20.073
  BottomLayer w0.254: C32.1@3.75,24 5.25,24 5.5,23.75 L1.2@5.5,23.165 6.685,23.165 8.7,21.15 v1(10.1,21.15) ; v1(26.952,25) 26.952,24.952 26,24 24.9,24 23.9,25 20.8,25 19.875,25.925 RJ45.2@17.89,25.925 16.75,24.785 16.75,20.15 17.4,19.5 18.25,19.5 18.411,19.339 19.261,19.339 20.542,18.058 57.492,18.058 61.9,13.65 v1(61.9,13.6) ; v1@27,25 C21.2@29.25,25 29.075,24.825 C22.2@29.075,22.5 29.273,22.302 C23.1@29.273,20 v1(27.5,20)
TD+: "ANTS ROBOTICS.A13" R18.1 R23.1 RJ45.1 | length 84.2
  TopLayer w0.254: v1(11.048,24.7) 11.048,22.948 10.8,22.7 10.8,18.458 14.058,15.2 v1(19.3,15.2) ; RJ45.1@15.6,27.2 15.595,27.195 RJ45.1@15.35,27.195 15.35,28.95 15.9,29.5 R18.1@21.75,29.5
  BottomLayer w0.254: v1(11.048,24.7) 11,24.748 11,27.3 11.5,27.8 13.4,27.8 14,27.2 14.777,27.2 14.8,27.177 14.8,27 14.995,27.195 RJ45.1@15.35,27.195 R23.1@15.35,29.5 ; v1(19.3,15.2) 55.1,15.2 59.65,10.65 59.65,3.5
TD-: "ANTS ROBOTICS.A14" R19.1 R22.1 RJ45.3 | length 84.5
  TopLayer w0.254: v1(13.8,23.3) 12.5,23.3 11.3,22.1 11.3,18.6 13.9,16 16.423,16 16.673,16.25 v1(19.3,16.25) ; RJ45.3@15.35,24.655 18.355,24.655 19,25.3 19,26.55 17.8,27.75 17.8,28.3 18.5,29 20.05,29 20.55,28.5 20.55,28 21.05,27.5 R19.1@21.75,27.5
  BottomLayer w0.254: v1(13.8,23.3) 12.8,23.3 12.5,23.6 R22.1@12.5,24.625 12.53,24.655 RJ45.3@15.35,24.655 ; v1(19.3,16.25) 55.25,16.25 60.65,10.85 60.65,3.5
TX-LED: ESP32-TX.1 U1.10 | length 4.1
  TopLayer w0.254: U1.10@19.393,61.125 19.393,63.392 19.95,63.95 ESP32-TX.1@21,63.95
UART_DTR: Q2.2 R1.2 U1.1 | length 13.1
  TopLayer w0.254: U1.1@25.108,61.125 R1.2@28.35,61.125 ; v1(27.3,59.9) 28.35,60.95 R1.2@28.35,61.1 ; v1(27.925,56.839) 30.527,56.839 31.187,57.5 Q2.2@32.553,57.5
  BottomLayer w0.254: v1(27.3,59.9) 27.3,57.4 27.861,56.839 v1(27.925,56.839)
UART_RTS: Q1.2 R2.2 U1.2 | length 11.3
  TopLayer w0.254: U1.2@24.473,61.125 24.473,59.628 25.6,58.5 R2.2@28.35,58.5 28.35,59.55 28.6,59.8 31.2,59.8 31.5,60.1 Q1.2@32.553,60.1
USB2-IN-PWR: "ANTS ROBOTICS.A19" D65.2 | length 3.4
  BottomLayer w0.254: 65.65,3.5 D65.2@65.65,6.93
USBC-DM: U1.12 USB-C.A7 USB-C.B7 | length 17.4
  TopLayer w0.254: USB-C.B7@5.669,53.9 5.6,53.9 5.625,53.925 USB-C.B7@5.675,53.925 5.782,53.925 5.926,53.781 5.967,53.781 6.198,53.55 6.2,53.55 6.675,53.075 USB-C.A7@7.025,53.075 18.775,53.075 20.028,54.328 U1.12@20.028,56.375
USBC-DP: U1.11 USB-C.A6 USB-C.B6 | length 16.1
  TopLayer w0.254: USB-C.A6@7.025,53.925 18.525,53.925 19.393,54.793 U1.11@19.393,56.375
  BottomLayer w0.254: USB-C.B6@5.675,53.075 5.782,53.075 5.926,53.219 5.967,53.219 6.381,53.633 6.381,53.781 6.525,53.925 USB-C.A6@7.025,53.925
W5500-CS: CS5.2 CS25.2 R28.1 U4.32 W5500_MODULE.5 | length 87.1
  TopLayer w0.254: v1(32.65,24.4) 32.723,24.327 32.723,23.777 33,23.5 U4.32@34.3,23.5 38,23.5 38.5,24 38.5,30.5 47.5,39.5 63.542,39.5 70.5,46.458 v1(70.5,48.5) ; v1(34.5,27.8) R28.1@34.5,30 ; CS5.2@63.3,63.5 CS25.2@63.3,65.5 66.55,65.5 69,63.05 69,54.85 W5500_MODULE.5@66.84,52.69
  BottomLayer w0.254: v1(32.65,24.4) 34.5,26.25 v1(34.5,27.8) ; W5500_MODULE.5@66.84,52.69 68,51.53 68,49 68.5,48.5 v1(70.5,48.5)
W5500-MISO: ESP32.31 U4.34 W5500_MODULE.7 | length 91.9
  TopLayer w0.254: U4.34@34.3,24.5 37,24.5 37.5,25 37.5,31.5 46.5,40.5 62,40.5 65,43.5 v1(65,49.5) ; ESP32.31@58.5,52.37 61.97,52.37 66.1,56.5 v1(67.5,56.5) ; v1(70,56.5) 70,54.1 71.4,52.7 84.61,52.7 W5500_MODULE.7@87.16,50.15 87.15,50.15 87.1,50.2 W5500_MODULE.7@87.05,50.15
  BottomLayer w0.254: v1(65,49.5) 64.9,49.5 65,49.6 65,55.4 66.1,56.5 v1(67.5,56.5) v1(70,56.5)
W5500-MOSI: ESP32.37 U4.35 W5500_MODULE.3 | length 66.8
  TopLayer w0.254: U4.35@34.3,25 36.5,25 37,25.5 37,32 46,41 61.5,41 64,43.5 v1(64,48.5) ; ESP32.37@58.5,59.99 59.89,59.99 59.9,60 62.9,60 65.13,57.77 W5500_MODULE.3@66.84,57.77
  BottomLayer w0.254: v1(64,48.5) 64,56.5 65.27,57.77 W5500_MODULE.3@66.84,57.77
W5500-RST: ESP32.14 R29.1 U4.37 W5500_MODULE.8 | length 87
  TopLayer w0.254: R29.1@29.5,30 29.5,29.15 29.95,28.7 31.858,28.7 32.451,28.107 32.455,28.107 32.727,27.835 32.727,27.073 U4.37@32.75,27.05 36.05,27.05 36.5,27.5 36.5,32.75 v1(41,37.25) ; v1(41.5,42.25) ESP32.14@41.5,44.75 41.85,44.75 41.9,44.7 43.2,44.7 44,45.5 55.9,45.5 56.6,44.8 56.6,44.2 57.1,43.7 59.8,43.7 60.6,44.5 60.6,47.2 64.8,51.4 84,51.4 85.7,49.7 86.5,48.9 87.7,48.9 88.7,49.9 88.7,51.15 W5500_MODULE.8@87.16,52.69
  BottomLayer w0.254: v1(41,37.25) 41.5,37.75 v1(41.5,42.25)
W5500-SCK: ESP32.30 U4.33 W5500_MODULE.4 | length 68
  TopLayer w0.254: U4.33@34.3,24 37.5,24 38,24.5 38,31 47,40 63.4,40 67.05,43.65 67.05,46.65 69,48.6 v1(69,49.5) ; ESP32.30@58.5,51.1 61.8,51.1 65.93,55.23 W5500_MODULE.4@66.84,55.23
  BottomLayer w0.254: W5500_MODULE.4@66.84,55.23 69,53.07 v1(69,49.5)
XI: C29.2 R26.1 U4.30 Y2.1 | length 11.7
  TopLayer w0.254: U4.30@34.3,22.5 37.9,22.5 38.525,21.875 R26.1@39.75,21.875 39.75,20.85 39.9,20.7 Y2.1@42.5,20.7 C29.2@42.5,18.5
XO: C30.2 R26.2 U4.31 Y2.2 | length 11.7
  TopLayer w0.254: U4.31@34.3,23 38.2,23 38.825,23.625 R26.2@39.75,23.625 39.75,23.95 39.7,24 39.7,24.5 40,24.8 Y2.2@42.5,24.8 C30.2@42.5,27
pads on no net: ESP32.4 ESP32.5 ESP32.6 ESP32.7 ESP32.17 ESP32.18 ESP32.19 ESP32.20 ESP32.21 ESP32.22 ESP32.23 ESP32.24 ESP32.26 ESP32.32 L298P_M1_1.3 L298P_M1_1.18 L298P_M1_2.3 L298P_M1_2.18 L298P_M2_1.3 L298P_M2_1.18 L298P_M2_2.3 L298P_M2_2.18 L298P_M3_1.3 L298P_M3_1.18 L298P_M3_2.3 L298P_M3_2.18 L298P_M4_1.3 L298P_M4_1.18 L298P_M4_2.3 L298P_M4_2.18 RJ45.4 RJ45.MH1 RJ45.MH2 U1.5 U1.7 U1.8 U1.9 U1.18 U1.19 U4.7 U4.12 U4.13 U4.18 U4.24 U4.26 U4.46 U4.47 U5.11 U5.14 U5.19 U5.20 U6.1 U6.2 U6.3 U6.4 U6.5 U6.6 U6.7 U6.8 U6.11 U6.14 U6.19 U7.13 U7.14 U7.15 U7.16 U7.17 U7.18 U7.19 U7.20 USB-C.A8 USB-C.B8 W5500_MODULE.6 W5500_MODULE.9

## Polygon pours and split planes (outlines as drawn)
GND on TopLayer "GND_L01_P025" (solid, pour order 25): -0.05,85 195,85 195,12.7 186.05,3.75 -0.05,3.75
+24V_MOTOR on TopLayer "+24V_MOTOR_L01_P017" (solid, pour order 17): 112.025,3.5 112.025,10.5 129,10.5 129,3.5
MOTOR3_CHA on TopLayer "MOTOR3_CHA_L01_P022" (solid, pour order 22): 98.3,3.45 98.3,28.75 109,28.75 109,23.25 103,23.25 103,3.45
MOTOR2_CHA on TopLayer "MOTOR2_CHA_L01_P021" (solid, pour order 21): 84,3.5 84,30 90,36 109,36 109,30.75 97,30.75 89.3,23.05 89.3,3.5
+5V on TopLayer "+5V_L01_P002" (solid, pour order 2): 47,16.5 47,9.25 47.75,9.25 47.75,6.5 51.25,6.5 51.25,8 52.15,8 52.15,16.5
+3V3 on TopLayer "+3V3_L01_P001" (solid, pour order 1): 49.5,26.75 57.25,26.75 57.25,24 54.75,24 54.75,21.5 60,21.5 60,18.5 57,18.5 57,20 51.5,20 51.5,21.5 49.5,21.5
GND on BottomLayer "GND_L02_P026" (solid, pour order 26): -0.05,85 195,85 195,12.7 186.05,3.75 -0.05,3.75
+24V_MOTOR on BottomLayer "+24V_MOTOR_L02_P019" (solid, pour order 19): 112,3.5 112,10.75 135.75,10.75 135.75,15.25 190,15.25 190,54 195,54 195,12.7 138.75,12.7 138.75,8 129,8 129,3.5
MOTOR4_CHA on BottomLayer "MOTOR4_CHA_L02_P024" (solid, pour order 24): 98.3,3.45 98.3,21.75 109,21.75 109,16.25 103,16.25 103,3.45
MOTOR1_CHA on BottomLayer "MOTOR1_CHA_L02_P023" (solid, pour order 23): 84,3.45 84,37 90,43 109,43 109,37.25 96.5,37.25 89.3,30.05 89.3,3.45

## Keep-outs
TopSolder:
  rectangle: 33.35,4.5 41.35,7.95
  region: 132.05,3.45 132.55,2.95 143.35,2.95 144.75,5.375 144.75,7.95 132.05,7.95
BottomSolder:
  rectangle: 33.35,4.5 41.35,7.95
  region: 132.05,3.45 132.55,2.95 143.35,2.95 144.75,5.375 144.75,7.95 132.05,7.95
KeepOutLayer:
  rectangle: 33.35,4.5 41.35,7.95
  region: 132.05,3.45 132.55,2.95 143.35,2.95 144.75,5.375 144.75,7.95 132.05,7.95
  lines w0.5: -0.05,69 -0.05,4.5 ccw(c0,4.5) 0,4.45 15,4.45 ccw(c15,4.5) 15.05,4.5 15.05,12.7 33.3,12.7 33.3,4.5 ccw(c33.35,4.5) 33.35,4.45 41.35,4.45 ccw(c41.35,4.5) 41.4,4.5 41.4,10.925 ; -0.05,69 88.7,69 104.7,84.999 195,85 195,12.7 140.8,12.7 ccw(c140.8,11) 139.1,11 139.1,9.7 ccw(c140.8,9.7) 140.8,8 144.75,8 cw(c144.75,7.95) 144.8,7.95 144.8,5.375 cw(c144.75,5.375) 144.794,5.35 143.394,2.925 cw(c143.35,2.95) 143.35,2.9 132.55,2.9 cw(c132.55,2.95) 132.514,2.915 ; 41.4,10.925 ccw(c41.35,10.925) 41.4,10.925 ; 41.4,10.925 ccw(c43.175,10.925) 41.4,10.925 ; 41.4,10.925 cw(c43.175,10.925) 44.95,10.925 ; 41.4,10.925 41.4,10.925 ; 41.4,10.925 41.4,10.925 ; 44.95,10.925 44.95,10.925 ; 44.95,10.925 44.95,0.5 ccw(c45,0.5) 44.965,0.464 45.464,-0.036 ; 45.464,-0.035 ccw(c45.5,0) 45.5,-0.05 55.7,-0.05 ccw(c55.7,0) 55.736,-0.035 55.736,-0.036 56.236,0.464 ; 45.464,-0.035 45.464,-0.036 ; 56.235,0.464 ccw(c56.2,0.5) 56.25,0.5 56.25,7.45 cw(c57.15,7.45) 58.05,7.45 58.05,0.5 ccw(c58.1,0.5) 58.065,0.464 ; 56.235,0.464 56.236,0.464 ; 58.064,0.464 58.065,0.464 ; 58.064,0.464 58.564,-0.036 ; 58.564,-0.035 ccw(c58.6,0) 58.6,-0.05 128.8,-0.05 ccw(c128.8,0) 128.836,-0.036 129.336,0.464 ; 58.564,-0.035 58.564,-0.036 ; 129.335,0.464 ccw(c129.3,0.5) 129.35,0.5 129.35,7.605 ; 129.335,0.464 129.336,0.464 ; 129.35,7.605 cw(c130.675,7.605) 130.675,8.93 ; 129.35,7.605 ccw(c129.3,7.605) 129.35,7.605 129.35,7.605 ; 130.675,8.93 cw(c130.675,7.605) 132,7.605 132,3.45 ccw(c132.05,3.45) 132.015,3.414 132.014,3.414 132.514,2.914 ; 130.675,8.93 130.675,8.93 ; 132.514,2.915 132.514,2.914

## Silkscreen, mask and mechanical layers (free items; w line width, h text height)
TopOverlay:
  text "DRIVE CONTROL UNIT (REV B1)" at 130.8,81.95 h3.5
PCI-SIG Outline:
  lines w0.1: 129.3,7.605 cw(c130.675,7.605) 132.05,7.605 ; 129.3,7.605 cw(c130.675,7.605) 132.05,7.605 ; 129.3,7.605 129.3,0.5 128.8,0 58.6,0 58.1,0.5 58.1,7.45 ccw(c57.15,7.45) 56.2,7.45 56.2,0.5 55.7,0 45.5,0 45,0.5 45,10.925 ccw(c43.175,10.925) 41.35,10.925 41.35,4.5 33.35,4.5 33.35,12.75 15,12.75 15,4.5 0,4.5 0,68.9 167.65,68.9 167.65,12.75 140.8,12.75 ccw(c140.8,11) 139.05,11 139.05,9.7 ccw(c140.8,9.7) 140.8,7.95 144.75,7.95 144.75,5.375 143.35,2.95 132.55,2.95 132.05,3.45 132.05,7.605
PCI-SIG Notes:
  text "- Nominal values used, dimensions in mm" at 175.5,42.584 h1.52
  text "- The mounting holes and keep-out areas around them are only required when the I/O bracket is mounted on the card directly" at 175.5,40.806 h1.52
  text "- Component height rule and clearance rule derived from PCI_Express_CEM_r2.0.pdf, Page 84." at 175.5,39.028 h1.52
  text "- Stackup is not specified in PCI_Express_CEM_r2.0.pdf, nor implemented in this template." at 175.5,37.25 h1.52

## Dimensions
0,0 to 0,68.9 on PCI-SIG Dimensions
0,68.9 to 167.65,68.9 on PCI-SIG Dimensions

## Text inside footprints (layer, text, board x,y; h text height)
W5500_MODULE: TopOverlay "GND" at 80.2,62 h1.52; TopOverlay "3V3" at 80.2,59.46 h1.52; TopOverlay "3V3" at 80.2,57 h1.52; TopOverlay "NC" at 80.4,54.35 h1.52; TopOverlay "RST" at 80.4,51.9 h1.52; TopOverlay "MISO" at 80.4,49.4 h1.52; TopOverlay "INT" at 69.7,49.45 h1.52; TopOverlay "CS" at 69.7,51.99 h1.52; TopOverlay "SCLK" at 68.2,54.55 h1.52; TopOverlay "MOSI" at 68.6,57.05 h1.52; TopOverlay "GND" at 69.7,59.61 h1.52; TopOverlay "GND" at 69.7,62.15 h1.52; TopOverlay "BOARD EDGE" at 69.95,66.95 h1.52